# Altium PCB power_board.PcbDoc (part 2 of 2)
Units mm, origin at the board's own origin, x right, y up, seen from the top; angles counter-clockwise.
Board outline 219.3 x 134.6 mm, 4 copper layers (L1, L2, L3, L4), stack 2.302 mm thick; 193 components, 110 nets, 629 pads, 113 vias.
Unrouted connection lines stored in the file: 1.
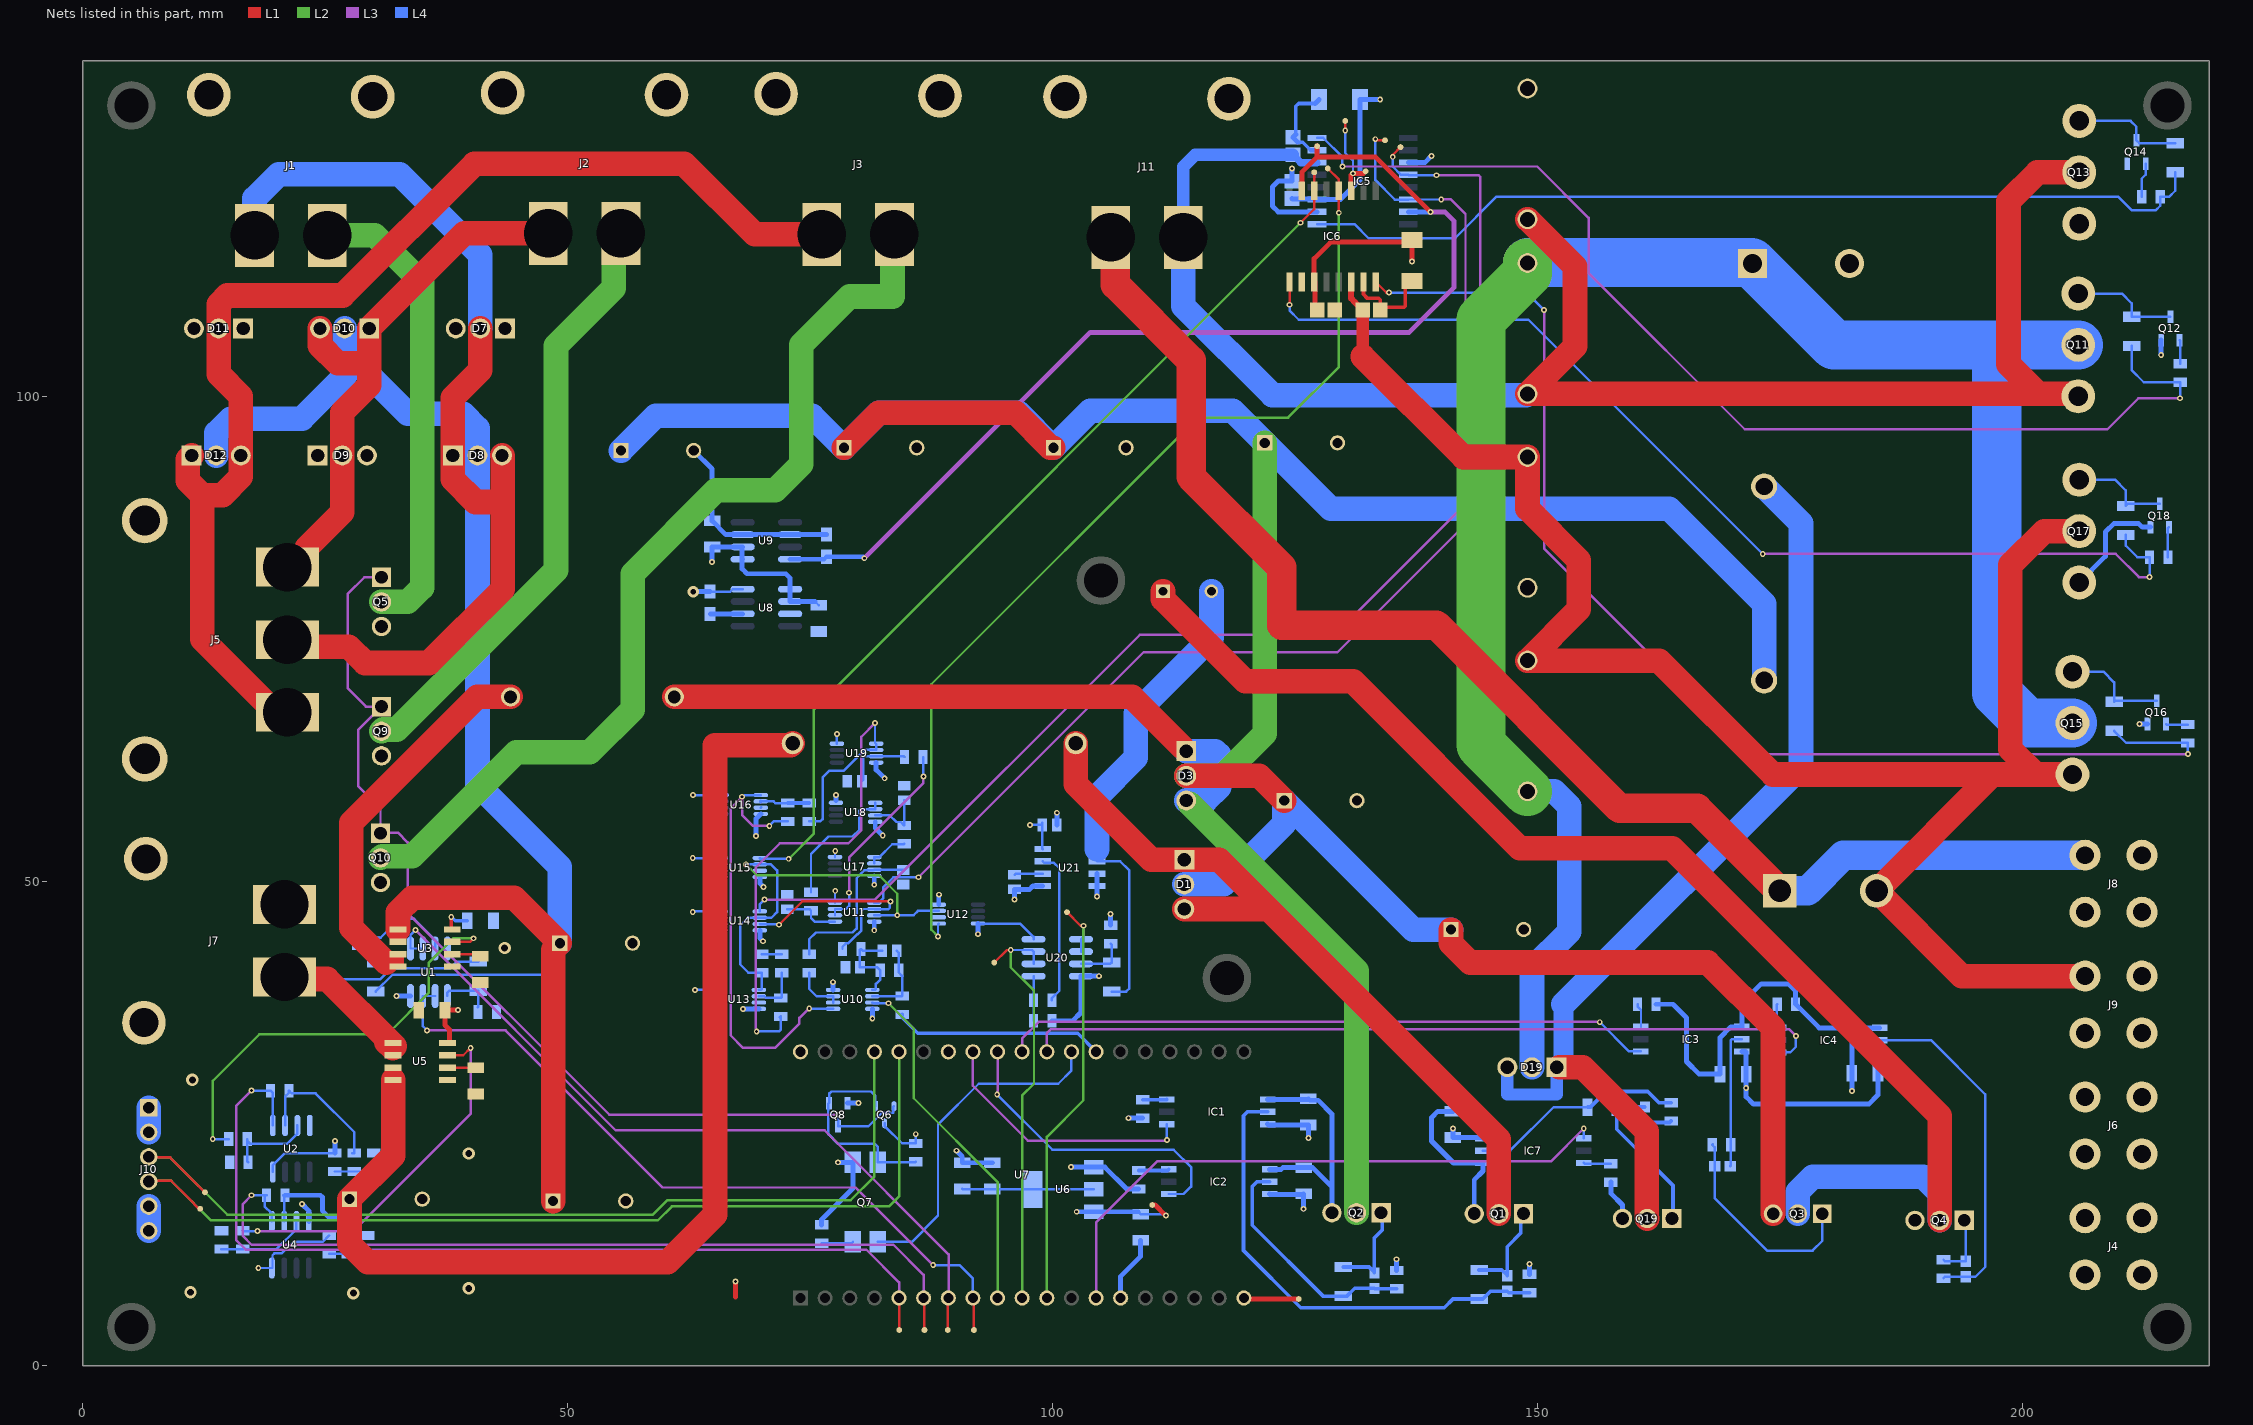
[diagram p4: the nets of this part, all layers, seen from the top]

## Part data (continued)
R37: library part Res-0805, "Res Thick Film 2.0 x 1.2 mm 200 Ohm 1% 0.125W(1/8W) 100ppm/ C Molded SMD Paper T/R", Case Code (Imperial)=0805, Case Code (Metric)=2012, Manufacturer=Yageo, Manufacturer Part Number=RC0805FR-07200RL, Manufacturer_Name="YAGEO (PHYCOMP)", Manufacturer_Part_Number=RC0805JR-131KL, Max Operating Temperature=155°C, Max Power Dissipation=125mW, Min Operating Temperature=-55°C, Mouser Part Number=603-RC0805JR-131KL, Package Quantity=1, Resistance=200R, Resistor Type="Thick Film", Supplier Part Number 1=603-RC0805FR-07200RL, Temperature Coefficient=100ppm/°C, Tolerance=1%, Voltage rating=150V, Case/Package=0805, Category="Chip SMD Resistors", ComponentLink1Description=https://datasheet.ciiva.com/12667/rc0805-12667066.pdf?src-supplier=Mouser, ComponentLink1URL=https://datasheet.ciiva.com/12667/rc0805-12667066.pdf?src-supplier=Mouser, ComponentLink2Description=https://datasheet.ciiva.com/2519/pyu-r-int-thick-7-2519720.pdf?src-supplier=Digi-Key, ComponentLink2URL=https://datasheet.ciiva.com/2519/pyu-r-int-thick-7-2519720.pdf?src-supplier=Digi-Key, ComponentLink3Description=https://datasheet.ciiva.com/2519/pyu-r-int-thick-7-2519721.pdf?src-supplier=Digi-Key, ComponentLink3URL=https://datasheet.ciiva.com/2519/pyu-r-int-thick-7-2519721.pdf?src-supplier=Digi-Key, ComponentLink4Description=https://datasheet.ciiva.com/2519/pyu-r-int-thick-7-2519722.pdf?src-supplier=Digi-Key, ComponentLink4URL=https://datasheet.ciiva.com/2519/pyu-r-int-thick-7-2519722.pdf?src-supplier=Digi-Key, ComponentLink5Description=https://datasheet.ciiva.com/15189/getdatasheetpartid-327982-15189926.pdf?src-supplier=Verical, ComponentLink5URL=https://datasheet.ciiva.com/15189/getdatasheetpartid-327982-15189926.pdf?src-supplier=Verical, Construction=Rectangular, Datasheet Link=http://www.yageo.com/documents/recent/PYu-RC_Group_51_RoHS_L_10.pdf, Depth=1.25mm, Features="Moisture Resistant", Height=0.6mm, Lead Free="Lead Free", Length=2mm, Military Standard=Not, Mount="Surface Mount", Mouser Price/Stock=https://www.mouser.com/Search/Refine.aspx?Keyword=603-RC0805JR-131KL, Number of Terminations=2, Packaging="Tape and Reel", Power Rating=125mW, Pricing 1="1=0.10000, 10=0.03500, 50=0.03500, 100=0.01200, 1000=0.00700, 10000=0.00400 (USD)", RoHS=Yes, RoHS Compliant=Yes, Series=RC, Size Code=0805, Stock 1=137491, Supplier 1=Mouser, Termination=SMD/SMT, Voltage Rating (DC)=150V, Width=0.049inch
R42: library part Res-0805, "Res Thick Film 0805 12K Ohm 1% 0.125W(1/8W) ±100ppm/C Molded SMD Paper T/R", Case Code (Imperial)=0805, Case Code (Metric)=2012, Manufacturer=Yageo, Manufacturer Part Number=RC0805FR-0712KL, Manufacturer_Name="YAGEO (PHYCOMP)", Manufacturer_Part_Number=RC0805JR-131KL, Max Operating Temperature=155°C, Max Power Dissipation=125mW, Min Operating Temperature=-55°C, Mouser Part Number=603-RC0805JR-131KL, Package Quantity=1, Resistance=12kR, Resistance Tolerance=1%, Resistor Type="Thick Film", Supplier Part Number 1=603-RC0805FR-0712KL, Temperature Coefficient=100ppm/°C, Voltage rating=150V, Case/Package=0805, Category="Chip SMD Resistors", ComponentLink1Description=https://datasheet.ciiva.com/2519/pyu-r-int-thick-7-2519831.pdf?src-supplier=Digi-Key, ComponentLink1URL=https://datasheet.ciiva.com/2519/pyu-r-int-thick-7-2519831.pdf?src-supplier=Digi-Key, ComponentLink2Description=https://datasheet.ciiva.com/2519/pyu-r-int-thick-7-2519832.pdf?src-supplier=Digi-Key, ComponentLink2URL=https://datasheet.ciiva.com/2519/pyu-r-int-thick-7-2519832.pdf?src-supplier=Digi-Key, ComponentLink3Description=https://datasheet.ciiva.com/2519/pyu-r-int-thick-7-2519833.pdf?src-supplier=Digi-Key, ComponentLink3URL=https://datasheet.ciiva.com/2519/pyu-r-int-thick-7-2519833.pdf?src-supplier=Digi-Key, ComponentLink4Description=https://datasheet.ciiva.com/12577/rc0805-12577253.pdf?src-supplier=Mouser, ComponentLink4URL=https://datasheet.ciiva.com/12577/rc0805-12577253.pdf?src-supplier=Mouser, ComponentLink5Description=https://datasheet.ciiva.com/17018/rc0805-17018634.pdf?src-supplier=Future+Electronics, ComponentLink5URL=https://datasheet.ciiva.com/17018/rc0805-17018634.pdf?src-supplier=Future+Electronics, ComponentLink6Description=https://datasheet.ciiva.com/7941/444164-7941693.pdf?src-supplier=Element14, ComponentLink6URL=https://datasheet.ciiva.com/7941/444164-7941693.pdf?src-supplier=Element14, ComponentLink7Description=https://datasheet.ciiva.com/7941/444164-7941694.pdf?src-supplier=Element14, ComponentLink7URL=https://datasheet.ciiva.com/7941/444164-7941694.pdf?src-supplier=Element14, Construction=Rectangular, Datasheet Link=http://www.yageo.com/documents/recent/PYu-RC_Group_51_RoHS_L_10.pdf, Depth=1.25mm, Features="Moisture Resistant", Height=0.6mm, Lead Free="Lead Free", Length=2mm, Military Standard=Not, Mouser Price/Stock=https://www.mouser.com/Search/Refine.aspx?Keyword=603-RC0805JR-131KL, Number of Terminations=2, Packaging="Tape and Reel", Power Rating=125mW, Pricing 1="1=0.13000, 10=0.03100, 50=0.03100, 100=0.01100, 1000=0.00800, 10000=0.00500 (USD)", REACH SVHC=Unknown, RoHS=Yes, RoHS Compliant=Yes, Series=RC, Size Code=0805, Stock 1=94553, Supplier 1=Mouser, Termination=SMD/SMT, Tolerance=1%, Weight=0.000194oz, Width=1.25mm
R43 R46 R47 R48: library part Res-0805, "YAGEO - RC0805FR-07120KL - RES, 120K, 1%, 0.125W, 0805, THICK FILM", Case Code (Imperial)=0805, Case Code (Metric)=2012, Manufacturer=Yageo, Manufacturer Part Number=RC0805FR-07120KL, Manufacturer_Name="YAGEO (PHYCOMP)", Manufacturer_Part_Number=RC0805JR-131KL, Max Operating Temperature=155°C, Max Power Dissipation=125mW, Min Operating Temperature=-55°C, Mouser Part Number=603-RC0805JR-131KL, Package Quantity=1, Resistance=120kR, Resistance Tolerance=1%, Resistor Type="Thick Film", Supplier Part Number 1=603-RC0805FR-07120KL, Temperature Coefficient=100ppm/°C, Voltage rating=150V, Case/Package=0805, Category="Chip SMD Resistors", ComponentLink1Description=https://datasheet.ciiva.com/2457/pyu-r-int-thick-7-2457029.pdf?src-supplier=Digi-Key, ComponentLink1URL=https://datasheet.ciiva.com/2457/pyu-r-int-thick-7-2457029.pdf?src-supplier=Digi-Key, ComponentLink2Description=https://datasheet.ciiva.com/2457/pyu-r-int-thick-7-2457030.pdf?src-supplier=Digi-Key, ComponentLink2URL=https://datasheet.ciiva.com/2457/pyu-r-int-thick-7-2457030.pdf?src-supplier=Digi-Key, ComponentLink3Description=https://datasheet.ciiva.com/2457/pyu-r-int-thick-7-2457031.pdf?src-supplier=Digi-Key, ComponentLink3URL=https://datasheet.ciiva.com/2457/pyu-r-int-thick-7-2457031.pdf?src-supplier=Digi-Key, ComponentLink4Description=https://datasheet.ciiva.com/12577/rc0805-12577303.pdf?src-supplier=Mouser, ComponentLink4URL=https://datasheet.ciiva.com/12577/rc0805-12577303.pdf?src-supplier=Mouser, ComponentLink5Description=https://datasheet.ciiva.com/15189/getdatasheetpartid-328115-15189894.pdf?src-supplier=Verical, ComponentLink5URL=https://datasheet.ciiva.com/15189/getdatasheetpartid-328115-15189894.pdf?src-supplier=Verical, ComponentLink6Description=https://datasheet.ciiva.com/7941/444164-7941689.pdf?src-supplier=Element14, ComponentLink6URL=https://datasheet.ciiva.com/7941/444164-7941689.pdf?src-supplier=Element14, ComponentLink7Description=https://datasheet.ciiva.com/7941/444164-7941690.pdf?src-supplier=Element14, ComponentLink7URL=https://datasheet.ciiva.com/7941/444164-7941690.pdf?src-supplier=Element14, Construction=Rectangular, Contact Plating=Tin,Matte, Datasheet Link=http://www.yageo.com/documents/recent/PYu-RC_Group_51_RoHS_L_10.pdf, Depth=1.25mm, Features="Moisture Resistant", Height=0.6mm, Lead Free="Lead Free", Length=2mm, Military Standard=Not, Mouser Price/Stock=https://www.mouser.com/Search/Refine.aspx?Keyword=603-RC0805JR-131KL, Number of Terminations=2, Packaging="Tape and Reel", Power Rating=125mW, Pricing 1="1=0.10000, 10=0.03100, 50=0.03100, 100=0.01200, 1000=0.00700, 10000=0.00400 (USD)", Radiation Hardening=No, REACH SVHC=Unknown, RoHS=Yes, RoHS Compliant=Yes, Series=RC, Size Code=0805, Stock 1=123823, Supplier 1=Mouser, Termination=SMD/SMT, Tolerance=1%, Weight=0.000194oz, Width=0.049inch
R51: library part Res-0805, "RES SMD 80.6K OHM 1% 1/8W 0805", Case Code (Imperial)=0805, Case Code (Metric)=2012, Manufacturer=Yageo, Manufacturer Part Number=RC0805FR-0780K6L, Manufacturer_Name="YAGEO (PHYCOMP)", Manufacturer_Part_Number=RC0805JR-131KL, Max Operating Temperature=155°C, Max Power Dissipation=125mW, Min Operating Temperature=-55°C, Mouser Part Number=603-RC0805JR-131KL, Package Quantity=1, Resistance=80.6kR, Resistor Type="Thick Film", Supplier Part Number 1=603-RC0805FR-0780K6L, Temperature Coefficient=100ppm/°C, Tolerance=1%, Voltage rating=150V, Case/Package=0805, Category="Chip SMD Resistors", ComponentLink1Description=https://datasheet.ciiva.com/11819/0900766b8106beab-11819866.pdf?src-supplier=RSComponents, ComponentLink1URL=https://datasheet.ciiva.com/11819/0900766b8106beab-11819866.pdf?src-supplier=RSComponents, ComponentLink2Description=https://datasheet.ciiva.com/2457/pyu-r-int-thick-7-2457257.pdf?src-supplier=Digi-Key, ComponentLink2URL=https://datasheet.ciiva.com/2457/pyu-r-int-thick-7-2457257.pdf?src-supplier=Digi-Key, ComponentLink3Description=https://datasheet.ciiva.com/2457/pyu-r-int-thick-7-2457258.pdf?src-supplier=Digi-Key, ComponentLink3URL=https://datasheet.ciiva.com/2457/pyu-r-int-thick-7-2457258.pdf?src-supplier=Digi-Key, ComponentLink4Description=https://datasheet.ciiva.com/2457/pyu-r-int-thick-7-2457259.pdf?src-supplier=Digi-Key, ComponentLink4URL=https://datasheet.ciiva.com/2457/pyu-r-int-thick-7-2457259.pdf?src-supplier=Digi-Key, ComponentLink5Description=https://datasheet.ciiva.com/12667/rc0805-12667964.pdf?src-supplier=Mouser, ComponentLink5URL=https://datasheet.ciiva.com/12667/rc0805-12667964.pdf?src-supplier=Mouser, Datasheet Link=http://www.yageo.com/documents/recent/PYu-RC_Group_51_RoHS_L_10.pdf, Depth=1.25mm, Features="Moisture Resistant", Height=0.6mm, Lead Free="Lead Free", Length=0.079inch, Mount="Surface Mount", Mouser Price/Stock=https://www.mouser.com/Search/Refine.aspx?Keyword=603-RC0805JR-131KL, Number of Terminations=2, Packaging="Tape and Reel", Power Rating=125mW, Pricing 1="1=0.13000, 10=0.03100, 50=0.03100, 100=0.01100, 1000=0.00800, 10000=0.00500 (USD)", RoHS=Yes, RoHS Compliant=Yes, Series=RC, Size Code=0805, Stock 1=25105, Supplier 1=Mouser, Technology="THICK FILM", Termination=SMD/SMT, Voltage Rating (DC)=150V, Width=0.049inch
TP1 TP2 TP3 TP4 TP5 TP6 TP7 TP8 TP9 TP10 TP11 TP12 TP13 TP14 TP15 TP16 TP17: library part CMP-00028-00002-2, "0.6mm round", Pins=1
U1 U2 U4: library part CMP-0384-00618-1, "Double Channel Wide Bandwidth Operational Amplifier, 24 MHz BW, 12 V/us SR, Industrial, 8-pin SOIC (R-8), Reel", Amplifiers Per Package=2, Case/Package=R, Generic Part Number=AD8616, Input Bias Current=200fA, Input Capacitance=10pF, Input Offset Voltage=23uV, Input Offset Voltage (Vos)=60uV, Input Voltage Noise Density="10nV/sqrt Hz", Manufacturer="Analog Devices", Max Operating Temperature=125°C, Max Supply Current=4mA, Max Supply Voltage=5V, Min Operating Temperature=-40°C, Min Supply Voltage=2.7V, Operating Supply Voltage=3V, Output Current per Channel=150mA, Package Quantity=1, Power Supply Rejection Ratio (PSRR)=90dB, Quiescent Current=2mA, Supplier Part Number 1=584-AD8616ARZ-R7, Voltage Gain=123.52dB, Amplifier Type="GENERAL PURPOSE", Category="Amplifiers - Op Amps, Buffer, Instrumentation", Code_JEDEC=MS-012-AA, Common Mode Rejection Ratio=100dB, ComponentLink1Description="Manufacturer URL", ComponentLink1URL=http://www.analog.com/en/index.html, ComponentLink2Description=Datasheet, ComponentLink2URL=http://www.analog.com/static/imported-files/data_sheets/AD8615_8616_8618.pdf, ComponentLink3Description="Package Specification", ComponentLink3URL=http://www.analog.com/static/imported-files/packages/PKG_PDF/SOIC_Narrow%20(R)/R_8.pdf, ComponentLink4Description=https://datasheet.ciiva.com/15374/ad8615-8616-8618-243269-15374309.pdf?src-supplier=Mouser, ComponentLink4URL=https://datasheet.ciiva.com/15374/ad8615-8616-8618-243269-15374309.pdf?src-supplier=Mouser, ComponentLink5Description=https://datasheet.ciiva.com/11711/ad8615-8616-8618-11711337.pdf?src-supplier=Avnet, ComponentLink5URL=https://datasheet.ciiva.com/11711/ad8615-8616-8618-11711337.pdf?src-supplier=Avnet, ComponentLink6Description=https://datasheet.ciiva.com/6629/ad8615-8616-8618-6629773.pdf?src-supplier=Digi-Key, ComponentLink6URL=https://datasheet.ciiva.com/6629/ad8615-8616-8618-6629773.pdf?src-supplier=Digi-Key, ComponentLink7Description=https://datasheet.ciiva.com/6629/ad8615-8616-8618-6629775.pdf?src-supplier=Digi-Key, ComponentLink7URL=https://datasheet.ciiva.com/6629/ad8615-8616-8618-6629775.pdf?src-supplier=Digi-Key, ComponentLink8Description=https://datasheet.ciiva.com/17569/ad8615-8616-8618-17569678.pdf?src-supplier=Avnet+Europe, ComponentLink8URL=https://datasheet.ciiva.com/17569/ad8615-8616-8618-17569678.pdf?src-supplier=Avnet+Europe, Contact Plating=Tin,Matte, DatasheetVersion="Rev. E", Gain Bandwidth Product=24MHz, Height=1.5mm, Iq/Amp=2mA, Lead Free="Contains Lead", Length=5mm, Manufacturer Part Number=AD8616ARZ-REEL7, Mounting Technology="Surface Mount", Number of Amplifiers=2, Number of Channels=2, Number of Circuits=2, Number of Elements=2, Number of Pins=8, Operating Supply Current=4mA, PackageDescription="8-Pin Standard Small Outline Package, Body 3.9 x 4.9 mm, Pitch 1.27 mm", PackageReference=R-8, PackageVersion=060506-A, Packaging="Tape and Reel", PartNumber=AD8616ARZ-REEL7, Pricing 1="1=3.82000, 10=3.44000, 50=3.25000, 100=2.82000, 1000=2.03000, 10000=1.97000 (USD)", RoHS=Yes, RoHS Compliant=Yes, Series=DigiTrim®, Settling Time=500ns, Slew Rate=12V/us, Small Signal Bandwidth=24MHz, Supplier 1=Mouser, Technology=CMOS, Unity Gain Bandwidth Product=24MHz, V Span Max=6V, V Span Min=2.7V, Width=4mm
U3 U5: library part CMP-0826-00001-1, "Linear Current Sensor IC, 4.5 to 5.5 V Supply Voltage, 10 mA Supply Current, -40 to 85 degC, 8-Pin SOIC (LC), RoHS, Tape and Reel", Case/Package=SOIC, Current Sensing=20A, Frequency=80kHz, Manufacturer="Allegro Microsystems", Max Operating Temperature=85°C, Max Supply Current=13mA, Max Supply Voltage=5.5V, Min Operating Temperature=-40°C, Min Supply Voltage=4.5V, Operating Supply Voltage=5V, Operating Temperature Range="-40 to 85 degC", Output Current=10mA, Package Quantity=1, Supplier Part Number 1=31M3133, Accuracy=1.5%, Bandwidth=80kHz, Category="Magnetic Sensors", CLOAD="10 nF Max.", ComponentLink1Description="Manufacturer URL", ComponentLink1URL=http://www.allegromicro.com/, ComponentLink2Description=Datasheet, ComponentLink2URL=http://www.allegromicro.com/~/media/Files/Datasheets/ACS712-Datasheet.ashx, ComponentLink3Description=https://datasheet.ciiva.com/15099/getdatasheetpartid-312820-15099471.pdf?src-supplier=Verical, ComponentLink3URL=https://datasheet.ciiva.com/15099/getdatasheetpartid-312820-15099471.pdf?src-supplier=Verical, ComponentLink4Description=https://datasheet.ciiva.com/3271/acs712-datasheet-3271995.pdf?src-supplier=Avnet, ComponentLink4URL=https://datasheet.ciiva.com/3271/acs712-datasheet-3271995.pdf?src-supplier=Avnet, ComponentLink5Description=https://datasheet.ciiva.com/3272/acs712-datasheet-3272423.pdf?src-supplier=Avnet, ComponentLink5URL=https://datasheet.ciiva.com/3272/acs712-datasheet-3272423.pdf?src-supplier=Avnet, ComponentLink6Description=https://datasheet.ciiva.com/16636/acs712-datasheet-16636599.pdf?src-supplier=Avnet+Europe, ComponentLink6URL=https://datasheet.ciiva.com/16636/acs712-datasheet-16636599.pdf?src-supplier=Avnet+Europe, ComponentLink7Description=https://datasheet.ciiva.com/1165/64754-1165093.pdf?src-supplier=Element14, ComponentLink7URL=https://datasheet.ciiva.com/1165/64754-1165093.pdf?src-supplier=Element14, DatasheetVersion="Rev. 15", F="80 kHz", Height=1.5mm, ICC="10 mA", Lead Free="Lead Free", Length=4.9mm, Linearity=1.5%, Manufacturer Part Number=ACS712ELCTR-20A-T, Mounting Technology="Surface Mount", Number of Channels=1, Number of Pins=8, Optimized Accuracy Range="+/- 20 A", PackageDescription="8-Pin SOIC, Body 4.9 x 3.9 mm, Pitch 1.27 mm", PackageReference=LC-8, Packaging="Tape and Reel", Packing="Tape and Reel", PartNumber=ACS712ELCTR-20A-T, Polarity=Bidirectional, Pricing 1="1=5.64000, 25=3.57000, 50=3.15000, 100=3.07000, 250=2.82000, 500=2.57000 (USD)", Quiescent Current=10mA, Radiation Hardening=No, REACH SVHC="No SVHC", Response Time=5us, RLOAD="4.7 kOhm Min.", RoHS=TRUE, RoHS Compliant=Yes, Sensitivity=100mV/A, Sensitivity Sens="100 mV/A Typ.", Series=-, Stock 1=1560, Supplier 1=Newark, Termination=SMD/SMT, TR="3.5 us", VCC="4.5 to 5.5 V", Width=3.9mm
U6: library part CMP-0592-00001-4, "IC REG LINEAR 5V 1A SOT223", Case/Package=SOT-223, Dropout Voltage=1.2V, Input Bias Current=6mA, Manufacturer="ON Semiconductor", Max Input Voltage=20V, Max Operating Temperature=125°C, Max Output Current=1A, Min Input Voltage=3.5V, Min Operating Temperature=0°C, Nominal Output Voltage=5V, Output Voltage Accuracy=1%, Package Quantity=1, Power Rating=781mW, Quiescent Current=10mA, Supplier Part Number 1=863-NCP1117ST50T3G, Accuracy=1%, Category="Voltage Regulators - Linear", ComponentLink1Description=https://datasheet.ciiva.com/28483/1748260-28483320.pdf?src-supplier=Element14, ComponentLink1URL=https://datasheet.ciiva.com/28483/1748260-28483320.pdf?src-supplier=Element14, ComponentLink2Description=https://datasheet.ciiva.com/2042/ncp1117-d-2042018.pdf?src-supplier=Digi-Key, ComponentLink2URL=https://datasheet.ciiva.com/2042/ncp1117-d-2042018.pdf?src-supplier=Digi-Key, ComponentLink3Description=https://datasheet.ciiva.com/2042/ncp1117-d-2042019.pdf?src-supplier=Digi-Key, ComponentLink3URL=https://datasheet.ciiva.com/2042/ncp1117-d-2042019.pdf?src-supplier=Digi-Key, ComponentLink4Description=https://datasheet.ciiva.com/2042/ncp1117-d-2042020.pdf?src-supplier=Digi-Key, ComponentLink4URL=https://datasheet.ciiva.com/2042/ncp1117-d-2042020.pdf?src-supplier=Digi-Key, ComponentLink5Description=https://datasheet.ciiva.com/8231/ncp1117-d-8231068.pdf?src-supplier=Avnet, ComponentLink5URL=https://datasheet.ciiva.com/8231/ncp1117-d-8231068.pdf?src-supplier=Avnet, ComponentLink6Description=https://datasheet.ciiva.com/8233/ncp1117-d-8233593.pdf?src-supplier=Avnet, ComponentLink6URL=https://datasheet.ciiva.com/8233/ncp1117-d-8233593.pdf?src-supplier=Avnet, ComponentLink7Description=https://datasheet.ciiva.com/16491/ncp1117-d-16491895.pdf?src-supplier=Avnet+Asia, ComponentLink7URL=https://datasheet.ciiva.com/16491/ncp1117-d-16491895.pdf?src-supplier=Avnet+Asia, ComponentLink8Description=https://datasheet.ciiva.com/16209/ncp1117-d-16209561.pdf?src-supplier=Future+Electronics, ComponentLink8URL=https://datasheet.ciiva.com/16209/ncp1117-d-16209561.pdf?src-supplier=Future+Electronics, ComponentLink9Description=https://datasheet.ciiva.com/8073/ncp1117-d-8073736.pdf?src-supplier=Element14, ComponentLink9URL=https://datasheet.ciiva.com/8073/ncp1117-d-8073736.pdf?src-supplier=Element14, ComponentLink10Description=https://datasheet.ciiva.com/8073/ncp1117-d-8073902.pdf?src-supplier=Element14, ComponentLink10URL=https://datasheet.ciiva.com/8073/ncp1117-d-8073902.pdf?src-supplier=Element14, ComponentLink11Description=https://datasheet.ciiva.com/25978/ncp1117-d-25978293.pdf?src-supplier=Avnet+Europe, ComponentLink11URL=https://datasheet.ciiva.com/25978/ncp1117-d-25978293.pdf?src-supplier=Avnet+Europe, Contact Plating=Tin, Halogen Free="Halogen Free", Height=1.69mm, Lead Free="Lead Free", Length=6.7mm, Manufacturer Part Number=NCP1117ST50T3G, Min Current Limit=1A, Number of Outputs=1, Number of Pins=4, Number of Regulators=1, Output Current=1A, Output Type=Fixed, Output Voltage=5V, Packaging="Tape and Reel", Polarity=Positive, Pricing 1="1=0.56000, 10=0.47900, 50=0.47900, 100=0.33200, 1000=0.21700, 10000=0.17400 (USD)", Radiation Hardening=No, REACH SVHC="No SVHC", RoHS=Yes, RoHS Compliant=Yes, Stock 1=312, Supplier 1=Mouser, Tolerance=1%, Width=3.7mm
U7: "Espressif Systems ESP32-DevKitC Microcontroller", Frequency=2.5GHz, Manufacturer="Espressif Systems", Operating Supply Voltage=5V, Package=None, Package Quantity=1, Supplier Part Number 1=356-ESP32-DEVKITC32D, Availability=Warning, Check_prices=https://www.snapeda.com/parts/ESP32-DEVKITC-32D/Espressif%20Systems/view-part/2777395/?ref=eda, ComponentLink1Description=https://datasheet.ciiva.com/70828/esp32-devkit-70828764.pdf?src-supplier=TME, ComponentLink1URL=https://datasheet.ciiva.com/70828/esp32-devkit-70828764.pdf?src-supplier=TME, Interface=USB, Manufacturer Part Number=ESP32-DEVKITC-32D, MF="Espressif Systems", MP=ESP32-DEVKITC-32D, Price=None, Pricing 1="1=10.00000, 10=10.00000, 50=10.00000, 100=10.00000, 1000=10.00000, 10000=10.00000 (USD)", Purchase-URL=https://pricing.snapeda.com/search/part/ESP32-DEVKITC-32D/?ref=eda, RoHS=No, SnapEDA_Link=https://www.snapeda.com/parts/ESP32-DEVKITC-32D/Espressif%20Systems/view-part/2777395/?ref=snap, Stock 1=1492, Supplier 1=Mouser
U8 U9: library part CMP-0244-00225-1, "100mA, Very Low Drop (0.2V) with Inhibit Voltage Regulator, 5V, 8-Pin SO, Tape and Reel", Case/Package=SO, Dropout Voltage=170mV, Input Bias Current=280uA, Manufacturer=STMicroelectronics, Max Input Voltage=20V, Max Operating Temperature=125°C, Max Output Current=100mA, Min Current Limit=120mA, Min Input Voltage=4.3V, Min Operating Temperature=-40°C, Min Output Voltage=5V, Output Voltage Accuracy=3%, Package Quantity=1, Quiescent Current=500uA, Supplier Part Number 1=511-LK115D50-TR, Accuracy=3%, Category="Voltage Regulators - Linear", Code_IPC=SOIC127P600-8, Code_JEDEC=MS-012-AA, ComponentLink1Description="Manufacturer URL", ComponentLink1URL=http://www.st.com, ComponentLink2Description=Datasheet, ComponentLink2URL=http://www.st.com/internet/com/TECHNICAL_RESOURCES/TECHNICAL_LITERATURE/DATASHEET/CD00000547.pdf, ComponentLink3Description="Package Specification", ComponentLink3URL=http://www.st.com/internet/com/TECHNICAL_RESOURCES/TECHNICAL_LITERATURE/PACKAGE_INFORMATION/CD00004680.pdf, ComponentLink4Description=https://datasheet.ciiva.com/1570/1802177-1570112.pdf?src-supplier=Farnell, ComponentLink4URL=https://datasheet.ciiva.com/1570/1802177-1570112.pdf?src-supplier=Farnell, ComponentLink5Description=https://datasheet.ciiva.com/30477/0900766b812940e8-30477252.pdf?src-supplier=RSComponents, ComponentLink5URL=https://datasheet.ciiva.com/30477/0900766b812940e8-30477252.pdf?src-supplier=RSComponents, ComponentLink6Description=https://datasheet.ciiva.com/41440/001184989-da-01-en-ic-reg-ldo-5v-0-1-lk115d50-tr-soic-8-stm-41440172.pdf?src-supplier=Conrad, ComponentLink6URL=https://datasheet.ciiva.com/41440/001184989-da-01-en-ic-reg-ldo-5v-0-1-lk115d50-tr-soic-8-stm-41440172.pdf?src-supplier=Conrad, ComponentLink7Description=https://datasheet.ciiva.com/2049/cd00000547-2049618.pdf?src-supplier=Digi-Key, ComponentLink7URL=https://datasheet.ciiva.com/2049/cd00000547-2049618.pdf?src-supplier=Digi-Key, ComponentLink8Description=https://datasheet.ciiva.com/2049/cd00000547-2049619.pdf?src-supplier=Digi-Key, ComponentLink8URL=https://datasheet.ciiva.com/2049/cd00000547-2049619.pdf?src-supplier=Digi-Key, ComponentLink9Description=https://datasheet.ciiva.com/2049/cd00000547-2049620.pdf?src-supplier=Digi-Key, ComponentLink9URL=https://datasheet.ciiva.com/2049/cd00000547-2049620.pdf?src-supplier=Digi-Key, ComponentLink10Description=https://datasheet.ciiva.com/3225/cd00000547-3225215.pdf?src-supplier=Avnet, ComponentLink10URL=https://datasheet.ciiva.com/3225/cd00000547-3225215.pdf?src-supplier=Avnet, ComponentLink11Description=https://datasheet.ciiva.com/1511/1802177-1511670.pdf?src-supplier=Element14, ComponentLink11URL=https://datasheet.ciiva.com/1511/1802177-1511670.pdf?src-supplier=Element14, DatasheetVersion=1/07/2008, Height=1.65mm, Lead Free="Lead Free", Length=5mm, Manufacturer Part Number=LK115D50-TR, Mount="Surface Mount", Nominal Output Voltage=5V, Number of Outputs=1, Number of Pins=8, Number of Regulators=1, Output Current=100mA, Output Type=Fixed, Output Voltage=5V, PackageDescription="8-Pin Small Outline Integrated Circuit 1.27 mm Pitch", PackageReference=SO8, PackageVersion=1/12/2002, Packaging="Tape and Reel", Polarity=Positive, Pricing 1="1=0.71000, 10=0.58600, 50=0.55200, 100=0.51400, 1000=0.48200, 10000=0.45200 (USD)", Radiation Hardening=No, REACH SVHC="No SVHC", RoHS=Yes, Series=-, Stock 1=1552, Supplier 1=Mouser, Width=4mm
U10 U11 U12 U13 U14 U15 U16 U17 U18 U19: library part CMP-0384-01637-1, "Double Channel Single-Supply Operation Operational Amplifier, 5 MHz BW, 6 V/us SR, Industrial, 8-pin SOP (RM-8), Reel", Amplifiers Per Package=2, Case/Package=MSOP, Generic Part Number=AD8566, Input Bias Current=600nA, Input Capacitance=1pF, Input Offset Voltage=2mV, Input Voltage Noise Density="26nV/sqrt Hz", Manufacturer="Analog Devices", Max Frequency=10kHz, Max Operating Temperature=85°C, Max Supply Voltage=16V, Min Operating Temperature=-40°C, Min Supply Voltage=4.5V, Operating Supply Current=700uA, Output Current per Channel=35mA, Package Quantity=250, Power Supply Rejection Ratio (PSRR)=90dB, Quiescent Current=850uA, Supplier Part Number 1=AD8566ARMZ-R2CT-ND, Voltage Gain=80dB, Amplifier Type="GENERAL PURPOSE", Automotive Qualified=Yes, Bandwidth=5MHz, Category="Amplifiers - Op Amps, Buffer, Instrumentation", Code_JEDEC=MO-187-AA, Common Mode Rejection Ratio=54dB, ComponentLink1Description="Manufacturer URL", ComponentLink1URL=http://www.analog.com/en/index.html, ComponentLink2Description=Datasheet, ComponentLink2URL=http://www.analog.com/static/imported-files/data_sheets/AD8565_8566_8567.pdf, ComponentLink3Description="Package Specification", ComponentLink3URL=http://www.analog.com/static/imported-files/packages/PKG_PDF/MSOP%28RM%29/RM_8.pdf, ComponentLink4Description=https://datasheet.ciiva.com/1794/ad8565-8566-8567-1794356.pdf?src-supplier=Digi-Key, ComponentLink4URL=https://datasheet.ciiva.com/1794/ad8565-8566-8567-1794356.pdf?src-supplier=Digi-Key, ComponentLink5Description=https://datasheet.ciiva.com/1794/ad8565-8566-8567-1794357.pdf?src-supplier=Digi-Key, ComponentLink5URL=https://datasheet.ciiva.com/1794/ad8565-8566-8567-1794357.pdf?src-supplier=Digi-Key, ComponentLink6Description=https://datasheet.ciiva.com/1794/ad8565-8566-8567-1794358.pdf?src-supplier=Digi-Key, ComponentLink6URL=https://datasheet.ciiva.com/1794/ad8565-8566-8567-1794358.pdf?src-supplier=Digi-Key, ComponentLink7Description=https://datasheet.ciiva.com/11213/ad8565-8566-8567-11213500.pdf?src-supplier=Avnet, ComponentLink7URL=https://datasheet.ciiva.com/11213/ad8565-8566-8567-11213500.pdf?src-supplier=Avnet, ComponentLink8Description=https://datasheet.ciiva.com/17569/ad8565-8566-8567-17569704.pdf?src-supplier=Avnet+Europe, ComponentLink8URL=https://datasheet.ciiva.com/17569/ad8565-8566-8567-17569704.pdf?src-supplier=Avnet+Europe, ComponentLink9Description=https://datasheet.ciiva.com/46396/669864-46396310.pdf?src-supplier=Element14, ComponentLink9URL=https://datasheet.ciiva.com/46396/669864-46396310.pdf?src-supplier=Element14, DatasheetVersion="Rev. G", Gain Bandwidth Product=5MHz, Height=0.95mm, Input Offset Voltage (Vos)=2mV, Iq/Amp=850uA, Lead Free="Contains Lead", Length=3.2mm, Manufacturer Part Number=AD8566ARMZ-R2, Mounting Technology="Surface Mount", Number of Amplifiers=2, Number of Channels=2, Number of Circuits=2, Number of Elements=2, Number of Pins=8, PackageDescription="8-Pin Mini Small Outline Package, Body 3 x 3 mm, Pitch 0.65 mm", PackageReference=RM-8, Packaging="Tape and Reel", PartNumber=AD8566ARMZ-R2, Pricing 1="1=3.71000, 10=3.33400, 100=2.73160 (USD)", Radiation Hardening=No, REACH SVHC="No SVHC", RoHS=Yes, RoHS Compliant=Yes, Series=-, Slew Rate=6V/us, Small Signal Bandwidth=5MHz, Supplier 1=Digi-Key, Technology=BIPOLAR, Unity Gain Bandwidth Product=5MHz, V Span Max=16V, V Span Min=4.5V, Width=3.2mm